# KiCad board schiffre_86_pcb.kicad_pcb
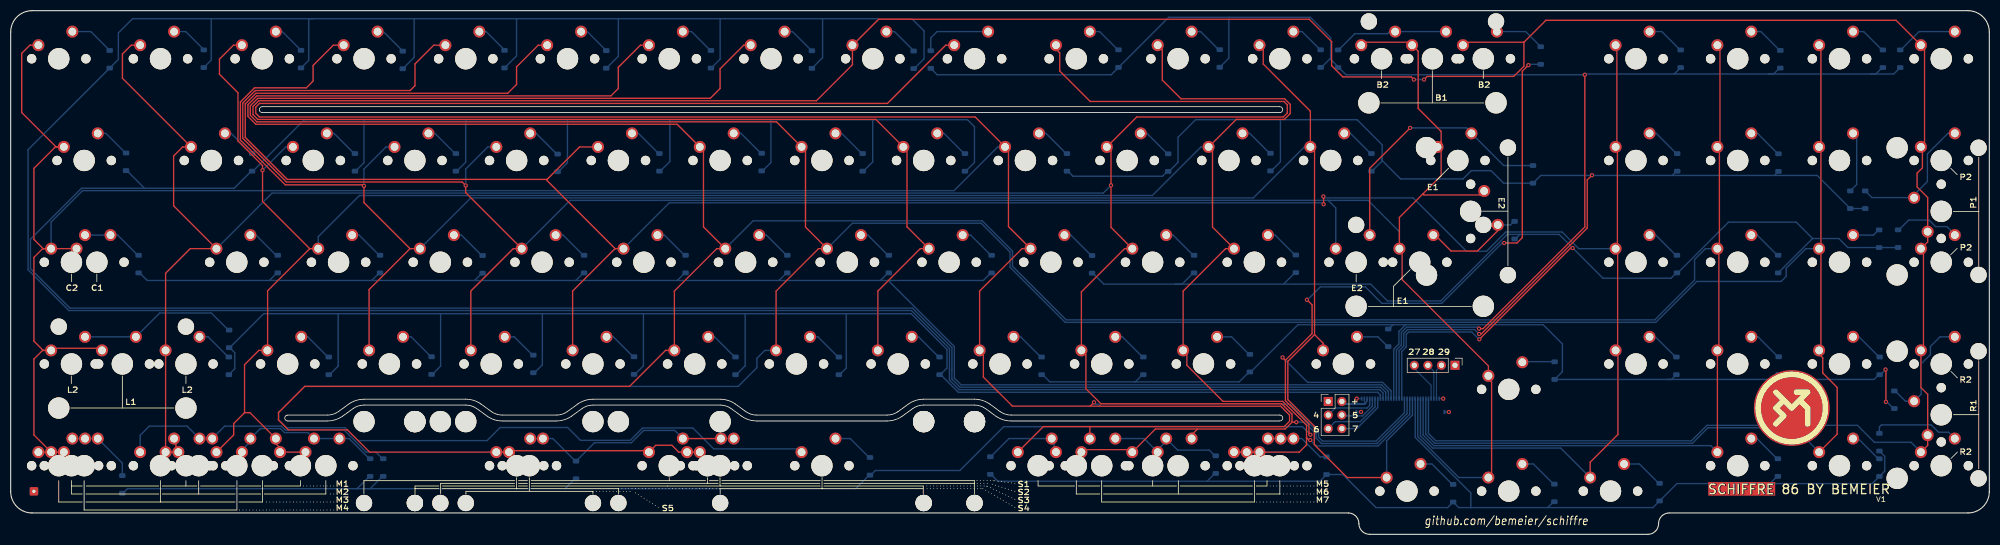
[diagram p0: board, top side]
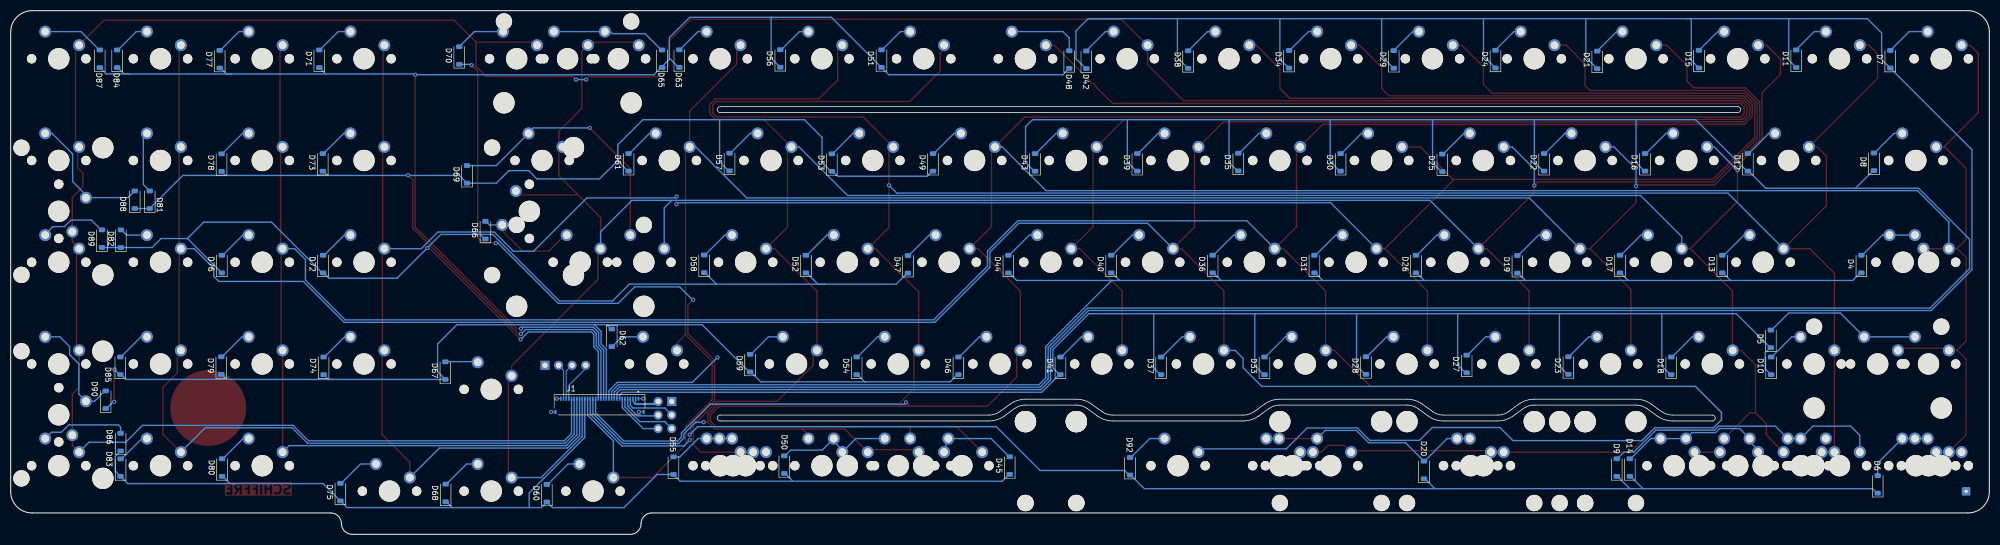
[diagram p1: board, bottom side, seen from below]

Outline 370.43 x 98.05 mm; copper layers: Top, Bottom. Coordinates in mm from the lower left corner of the outline.
Outline path: 0,94.05 arc(1.17,96.88) 4,98.05 366.43,98.05 arc(369.26,96.88) 370.43,94.05 370.43,8 arc(369.26,5.17) 366.43,4 310.51,4 arc(309.1,3.41) 308.51,2 arc(307.92,0.59) 306.51,0 254.41,0 arc(253,0.59) 252.41,2 arc(251.82,3.41) 250.41,4 4,4 arc(1.17,5.17) 0,8 0,94.05 ; 47.1,80.08 237.6,80.08 arc(238.15,79.53) 237.6,78.98 47.1,78.98 arc(46.55,79.53) 47.1,80.08 ; 51.86,22.33 59.3,22.33 arc(60.37,22.49) 61.33,22.97 63.31,24.41 arc(64.66,25.07) 66.15,25.3 85.2,25.3 arc(86.69,25.07) 88.04,24.41 90.02,22.97 arc(90.98,22.49) 92.05,22.33 102.16,22.33 arc(103.23,22.49) 104.2,22.97 106.18,24.41 arc(107.53,25.07) 109.01,25.3 132.82,25.3 arc(134.31,25.07) 135.66,24.41 137.64,22.97 arc(138.61,22.49) 139.67,22.33 164.07,22.33 arc(165.14,22.49) 166.11,22.97 168.09,24.41 arc(169.44,25.07) 170.92,25.3 180.44,25.3 arc(181.93,25.07) 183.28,24.41 185.26,22.97 arc(186.23,22.49) 187.29,22.33 237.6,22.33 arc(238.15,21.78) 237.6,21.23 187.29,21.23 arc(185.8,21.45) 184.46,22.12 182.48,23.56 arc(181.51,24.04) 180.44,24.2 170.92,24.2 arc(169.86,24.04) 168.89,23.56 166.91,22.12 arc(165.56,21.45) 164.07,21.23 139.67,21.23 arc(138.19,21.45) 136.84,22.12 134.86,23.56 arc(133.89,24.04) 132.82,24.2 109.01,24.2 arc(107.95,24.04) 106.98,23.56 105,22.12 arc(103.65,21.45) 102.16,21.23 92.05,21.23 arc(90.56,21.45) 89.21,22.12 87.23,23.56 arc(86.27,24.04) 85.2,24.2 66.15,24.2 arc(65.08,24.04) 64.12,23.56 62.14,22.12 arc(60.79,21.45) 59.3,21.23 51.86,21.23 arc(51.31,21.78) 51.86,22.33
Stack: Top 0.035mm / dielectric 1.51mm FR4 er 4.5 / Bottom 0.035mm

## Placement (name value [footprint] x y rotation side)
D4  1N4148  [D_SOD-123]  23.95 50.6 90 bottom
D5  1N4148  [D_SOD-123]  40.9 36.6 90 bottom
D6  1N4148  [D_SOD-123]  20.9 9.35 90 bottom
D7  1N4148  [D_SOD-123]  18.54 88.95 90 bottom
D8  1N4148  [D_SOD-123]  21.6 69.75 90 bottom
D9  1N4148  [D_SOD-123]  69.75 12.5 90 bottom
D10  1N4148  [D_SOD-123]  40.85 31.55 90 bottom
D11  1N4148  [D_SOD-123]  36.15 89.05 90 bottom
D12  1N4148  [D_SOD-123]  45.2 69.65 90 bottom
D13  1N4148  [D_SOD-123]  50 50.6 90 bottom
D14  1N4148  [D_SOD-123]  67.3 12.5 90 bottom
D15  1N4148  [D_SOD-123]  54.35 88.98 90 bottom
D16  1N4148  [D_SOD-123]  64.45 69.65 90 bottom
D17  1N4148  [D_SOD-123]  69.15 50.6 90 bottom
D18  1N4148  [D_SOD-123]  59.55 31.55 90 bottom
D19  1N4148  [D_SOD-123]  88.35 50.55 90 bottom
D20  1N4148  [D_SOD-123]  105.84 12.05 90 bottom
D21  1N4148  [D_SOD-123]  73.4 88.83 90 bottom
D22  1N4148  [D_SOD-123]  83.35 69.65 90 bottom
D23  1N4148  [D_SOD-123]  78.8 31.6 90 bottom
D24  1N4148  [D_SOD-123]  92.45 88.98 90 bottom
D25  1N4148  [D_SOD-123]  102.4 69.55 90 bottom
D26  1N4148  [D_SOD-123]  107.35 50.6 90 bottom
D27  1N4148  [D_SOD-123]  97.85 31.91 90 bottom
D28  1N4148  [D_SOD-123]  116.7 31.6 90 bottom
D29  1N4148  [D_SOD-123]  111.5 88.93 90 bottom
D30  1N4148  [D_SOD-123]  121.45 69.65 90 bottom
D31  1N4148  [D_SOD-123]  126.35 50.6 90 bottom
D33  1N4148  [D_SOD-123]  135.7 31.55 90 bottom
D34  1N4148  [D_SOD-123]  131.1 88.95 90 bottom
D35  1N4148  [D_SOD-123]  140.6 69.7 90 bottom
D36  1N4148  [D_SOD-123]  145.4 50.6 90 bottom
D37  1N4148  [D_SOD-123]  155.05 31.54 90 bottom
D38  1N4148  [D_SOD-123]  150 88.9 90 bottom
D39  1N4148  [D_SOD-123]  159.5 69.65 90 bottom
D40  1N4148  [D_SOD-123]  164.4 50.6 90 bottom
D41  1N4148  [D_SOD-123]  173.9 31.55 90 bottom
D42  1N4148  [D_SOD-123]  169.05 88.85 90 bottom
D43  1N4148  [D_SOD-123]  178.65 69.64 90 bottom
D44  1N4148  [D_SOD-123]  183.65 50.59 90 bottom
D45  1N4148  [D_SOD-123]  183.4 12.88 90 bottom
D46  1N4148  [D_SOD-123]  193 31.55 90 bottom
D47  1N4148  [D_SOD-123]  202.45 50.55 90 bottom
D48  1N4148  [D_SOD-123]  172.25 88.9 90 bottom
D49  1N4148  [D_SOD-123]  197.75 69.64 90 bottom
D50  1N4148  [D_SOD-123]  225.6 13.05 90 bottom
D51  1N4148  [D_SOD-123]  207.4 89.08 90 bottom
D52  1N4148  [D_SOD-123]  221.55 50.6 90 bottom
D53  1N4148  [D_SOD-123]  216.7 69.6 90 bottom
D54  1N4148  [D_SOD-123]  212.05 31.55 90 bottom
D55  1N4148  [D_SOD-123]  246.35 12.85 90 bottom
D56  1N4148  [D_SOD-123]  226.35 89.1 90 bottom
D57  1N4148  [D_SOD-123]  235.85 69.7 90 bottom
D58  1N4148  [D_SOD-123]  240.6 50.65 90 bottom
D59  1N4148  [D_SOD-123]  232 32.05 90 bottom
D60  1N4148  [D_SOD-123]  270.05 7.7 90 bottom
D61  1N4148  [D_SOD-123]  254.75 69.65 90 bottom
D62  1N4148  [D_SOD-123]  257.9 36.8 270 bottom
D63  1N4148  [D_SOD-123]  245.25 89.08 90 bottom
D65  1N4148  [D_SOD-123]  248.5 89.05 90 bottom
D66  1N4148  [D_SOD-123]  281.55 56.95 90 bottom
D67  1N4148  [D_SOD-123]  289.05 30.65 90 bottom
D68  1N4148  [D_SOD-123]  289 7.75 90 bottom
D69  1N4148  [D_SOD-123]  285 67.4 90 bottom
D70  1N4148  [D_SOD-123]  286.45 89.65 90 bottom
D71  1N4148  [D_SOD-123]  312.65 89.05 90 bottom
D72  1N4148  [D_SOD-123]  311.95 50.6 90 bottom
D73  1N4148  [D_SOD-123]  312 69.64 90 bottom
D74  1N4148  [D_SOD-123]  311.85 31.55 90 bottom
D75  1N4148  [D_SOD-123]  308.7 7.9 90 bottom
D76  1N4148  [D_SOD-123]  330.9 50.6 90 bottom
D77  1N4148  [D_SOD-123]  331.3 88.96 90 bottom
D78  1N4148  [D_SOD-123]  330.95 69.6 90 bottom
D79  1N4148  [D_SOD-123]  331 31.6 90 bottom
D80  1N4148  [D_SOD-123]  330.85 12.5 90 bottom
D81  1N4148  [D_SOD-123]  344.4 62.65 90 bottom
D82  1N4148  [D_SOD-123]  349.8 55.35 90 bottom
D83  1N4148  [D_SOD-123]  349.85 12.49 90 bottom
D84  1N4148  [D_SOD-123]  350.5 89.05 90 bottom
D85  1N4148  [D_SOD-123]  349.9 31.55 90 bottom
D86  1N4148  [D_SOD-123]  349.85 17.26 90 bottom
D87  1N4148  [D_SOD-123]  353.75 89.05 90 bottom
D88  1N4148  [D_SOD-123]  347.2 62.65 90 bottom
D89  1N4148  [D_SOD-123]  353.35 55.36 90 bottom
D90  1N4148  [D_SOD-123]  352.65 25.2 90 bottom
D92  1N4148  [D_SOD-123]  160.88 12.74 90 bottom
J1  FH34SRJ-30S-0.5SH(50)  [HRS_FH34SRJ-30S-0.5SH(50)]  260.18 25.4 180 bottom
J2  Conn_01x06  [PinHeader_2x03_P2.54mm_Vertical]  246.68 24.88 0 top
J3  Conn_01x04  [PinHeader_1x04_P2.54mm_Vertical]  270.4 31.65 270 top
J5  Conn_01x01  [SolderWire-0.1sqmm_1x01_D0.4mm_OD1mm]  4.35 8.05 0 top
MX1  ANSI Shift  [MXOnly-2.25U-NoLED]  20.91 31.9 0 top
MX2  Control 7u  [MXOnly-1.5U-NoLED]  13.76 12.85 0 top
MX3  STEPPED CAPS  [MXOnly-1.25U-NoLED]  11.38 50.95 0 top
MX4  Esc  [MXOnly-1U-NoLED]  9 89.05 0 top
MX5  Tab  [MXOnly-1.5U-NoLED]  13.76 70 0 top
MX6  CAPS  [MXOnly-1.75U-NoLED]  16.14 50.95 0 top
MX7  ISO Shift  [MXOnly-1.25U-NoLED]  11.38 31.9 0 top
MX8  Control 6u/6.25u  [MXOnly-1.25U-NoLED]  11.38 12.85 0 top
MX9  Super 6.25u  [MXOnly-1.25U-NoLED]  35.19 12.85 0 top
MX10  1  [MXOnly-1U-NoLED]  28.05 89.05 0 top
MX11  Q  [MXOnly-1U-NoLED]  37.57 70 0 top
MX12  A  [MXOnly-1U-NoLED]  42.34 50.95 0 top
MX13  ISO_BS  [MXOnly-1U-NoLED]  32.81 31.9 0 top
MX14  Super 6u  [MXOnly-1U-NoLED]  32.81 12.85 0 top
MX15  Alt 7u  [MXOnly-1.5U-NoLED]  42.34 12.85 0 top
MX16  2  [MXOnly-1U-NoLED]  47.1 89.05 0 top
MX17  W  [MXOnly-1U-NoLED]  56.65 70 0 top
MX18  S  [MXOnly-1U-NoLED]  61.38 50.95 0 top
MX19  Z  [MXOnly-1U-NoLED]  51.86 31.9 0 top
MX20  Alt 6u  [MXOnly-1.25U-NoLED]  54.24 12.85 0 top
MX21  3  [MXOnly-1U-NoLED]  66.15 89.05 0 top
MX22  E  [MXOnly-1U-NoLED]  75.68 70 0 top
MX23  D  [MXOnly-1U-NoLED]  80.44 50.95 0 top
MX24  X  [MXOnly-1U-NoLED]  70.91 31.9 0 top
MX25  Alt 6.25u  [MXOnly-1U-NoLED]  59.01 12.85 0 top
MX26  4  [MXOnly-1U-NoLED]  85.2 89.05 0 top
MX27  R  [MXOnly-1U-NoLED]  94.72 70 0 top
MX28  F  [MXOnly-1U-NoLED]  99.49 50.95 0 top
MX29  C  [MXOnly-1U-NoLED]  89.96 31.9 0 top
MX30  5  [MXOnly-1U-NoLED]  104.25 89.05 0 top
MX31  T  [MXOnly-1U-NoLED]  113.78 70 0 top
MX32  G  [MXOnly-1U-NoLED]  118.54 50.95 0 top
MX33  V  [MXOnly-1U-NoLED]  109.01 31.9 0 top
MX34  Space 6.25u  [MXOnly-6.25U-ReversedStabilizers-NoLED]  130.44 12.85 0 top
MX35  Space 7u  [MXOnly-7U-ReversedStabilizers-NoLED]  123.3 12.85 0 top
MX36  6  [MXOnly-1U-NoLED]  123.3 89.05 0 top
MX37  Y  [MXOnly-1U-NoLED]  132.82 70 0 top
MX38  H  [MXOnly-1U-NoLED]  137.59 50.95 0 top
MX39  B  [MXOnly-1U-NoLED]  128.06 31.9 0 top
MX40  Space 6u  [MXOnly-6U-ReversedStabilizers-NoLED]  123.3 12.85 0 top
MX41  7  [MXOnly-1U-NoLED]  142.35 89.05 0 top
MX42  U  [MXOnly-1U-NoLED]  151.88 70 0 top
MX43  J  [MXOnly-1U-NoLED]  156.64 50.95 0 top
MX44  N  [MXOnly-1U-NoLED]  147.11 31.9 0 top
MX45  8  [MXOnly-1U-NoLED]  161.4 89.05 0 top
MX46  I  [MXOnly-1U-NoLED]  170.93 70 0 top
MX47  K  [MXOnly-1U-NoLED]  175.69 50.95 0 top
MX48  M  [MXOnly-1U-NoLED]  166.16 31.9 0 top
MX49  9  [MXOnly-1U-NoLED]  180.45 89.05 0 top
MX50  O  [MXOnly-1U-NoLED]  189.98 70 0 top
MX51  L  [MXOnly-1U-NoLED]  194.74 50.95 0 top
MX52  ,  [MXOnly-1U-NoLED]  185.21 31.9 0 top
MX53  RAlt 6u  [MXOnly-1U-NoLED]  192.36 12.85 0 top
MX54  Ralt 6.25u/7u  [MXOnly-1.5U-NoLED]  204.26 12.85 0 top
MX55  0  [MXOnly-1U-NoLED]  199.5 89.05 0 top
MX56  P  [MXOnly-1U-NoLED]  209.02 70 0 top
MX57  ;  [MXOnly-1U-NoLED]  213.79 50.95 0 top
MX58  .  [MXOnly-1U-NoLED]  204.26 31.9 0 top
MX59  RSuper 6u  [MXOnly-1U-NoLED]  213.79 12.85 0 top
MX60  Fn 6.25u/7u  [MXOnly-1.5U-NoLED]  232.84 12.85 0 top
MX61  -  [MXOnly-1U-NoLED]  218.55 89.05 0 top
MX62  [  [MXOnly-1U-NoLED]  228.07 70 0 top
MX63  '  [MXOnly-1U-NoLED]  232.84 50.95 0 top
MX64  /  [MXOnly-1U-NoLED]  223.31 31.9 0 top
MX65  Fn 6u  [MXOnly-1.25U-NoLED]  235.22 12.85 0 top
MX66  =  [MXOnly-1U-NoLED]  237.6 89.05 0 top
MX67  ]  [MXOnly-1U-NoLED]  247.12 70 0 top
MX68  ISO Hash  [MXOnly-1U-NoLED]  251.89 50.95 0 top
MX69  Shift  [MXOnly-1.75U-NoLED]  249.5 31.9 0 top
MX70  Left  [MXOnly-1U-NoLED]  261.41 8.09 0 top
MX71  Split Backspace Left  [MXOnly-1U-NoLED]  256.65 89.05 0 top
MX72  ISO Enter  [MXOnly-ISO-ROTATED-ReversedStabilizers-NoLED]  273.32 60.48 0 top
MX73  Backspace  [MXOnly-2U-NoLED]  266.17 89.05 0 top
MX74  Backslash  [MXOnly-1.5U-NoLED]  270.94 70 0 top
MX75  ANSI Enter  [MXOnly-2.25U-NoLED]  263.8 50.95 0 top
MX76  Up  [MXOnly-1U-NoLED]  280.46 27.14 0 top
MX77  Down  [MXOnly-1U-NoLED]  280.46 8.09 0 top
MX78  Split Backspace Right  [MXOnly-1U-NoLED]  275.7 89.05 0 top
MX79  Num Lock  [MXOnly-1U-NoLED]  304.28 89.05 0 top
MX80  Num 7  [MXOnly-1U-NoLED]  304.28 70 0 top
MX81  Num 4  [MXOnly-1U-NoLED]  304.28 50.95 0 top
MX82  Num 1  [MXOnly-1U-NoLED]  304.28 31.9 0 top
MX83  Right  [MXOnly-1U-NoLED]  299.51 8.09 0 top
MX84  Num /  [MXOnly-1U-NoLED]  323.33 89.05 0 top
MX85  Num 8  [MXOnly-1U-NoLED]  323.33 70 0 top
MX86  Num 5  [MXOnly-1U-NoLED]  323.33 50.95 0 top
MX87  Num 2  [MXOnly-1U-NoLED]  323.33 31.9 0 top
MX88  Num 0  [MXOnly-1U-NoLED]  323.33 12.85 0 top
MX89  Num *  [MXOnly-1U-NoLED]  342.38 89.05 0 top
MX90  Num 9  [MXOnly-1U-NoLED]  342.38 70 0 top
MX91  Num 6  [MXOnly-1U-NoLED]  342.38 50.95 0 top
MX92  Num 3  [MXOnly-1U-NoLED]  342.38 31.9 0 top
MX93  Num .  [MXOnly-1U-NoLED]  342.38 12.85 0 top
MX94  Num + 1u  [MXOnly-1U-NoLED]  361.43 70 0 top
MX95  Num Enter 1u  [MXOnly-1U-NoLED]  361.43 31.9 0 top
MX96  Num Backspace  [MXOnly-1U-NoLED]  361.43 12.85 0 top
MX97  Num -  [MXOnly-1U-NoLED]  361.43 89.05 0 top
MX98  Num +  [MXOnly-2U-ReversedStabilizers-NoLED]  361.43 60.48 90 top
MX99  Num =  [MXOnly-1U-NoLED]  361.43 50.95 0 top
MX100  Num Enter  [MXOnly-2U-ReversedStabilizers-NoLED]  361.43 22.38 90 top
MX101  Split2.75ULeft  [MXOnly-2.75U-ReversedStabilizers-NoLED]  97.11 12.85 0 top
MX102  1uMod1  [MXOnly-1U-NoLED]  9 12.85 0 top
MX103  1uMod2  [MXOnly-1U-NoLED]  28.05 12.85 0 top
MX104  1uMod3  [MXOnly-1U-NoLED]  47.1 12.85 0 top
MX105  1uMod4  [MXOnly-1U-NoLED]  199.5 12.85 0 top
MX106  1uMod5  [MXOnly-1U-NoLED]  218.55 12.85 0 top
MX107  Split3ULeft  [MXOnly-3U-ReversedStabilizers-NoLED]  94.72 12.85 0 top
MX108  Split3URigth  [MXOnly-3U-ReversedStabilizers-NoLED]  151.88 12.85 0 top
MX109  1uMod6  [MXOnly-1U-NoLED]  237.6 12.85 0 top

## Library data of the parts
D4-D31 D33-D63 D65-D90 D92 = -: Description: Diode, small symbol; MPN: C81598
J1 = -: MANUFACTURER: Hirose Electric; MAXIMUM_PACKAGE_HEIGHT: 1.1mm; MPN: C324727; PARTREV: 1; STANDARD: Manufacturer recommendations
J2 = -: Description: Generic connector, single row, 01x06, script generated (kicad-library-utils/schlib/autogen/connector/)
J3 = -: Description: Generic connector, single row, 01x04, script generated (kicad-library-utils/schlib/autogen/connector/)
J5 = -: Description: Generic connector, single row, 01x01, script generated (kicad-library-utils/schlib/autogen/connector/)
MX1-MX109 = -: Description: Push button switch, normally open, two pins, 45° tilted

## Footprints (pads in the part's own frame, mm; a bottom-side part is the same pattern mirrored in y, then rotated)
D_SOD-123
  rrect 0.9x1.2 smd: 1(-1.65,0) 2(1.65,0)
HRS_FH34SRJ-30S-0.5SH(50)
  rect 0.3x0.8 smd: 1(7.25,0) 2(6.75,0) 3(6.25,0) 4(5.75,0) 5(5.25,0) 6(4.75,0) 7(4.25,0) 8(3.75,0) 9(3.25,0) 10(2.75,0) 11(2.25,0) 12(1.75,0) 13(1.25,0) 14(0.75,0) 15(0.25,0) 16(-0.25,0) 17(-0.75,0) 18(-1.25,0) 19(-1.75,0) 20(-2.25,0) 21(-2.75,0) 22(-3.25,0) 23(-3.75,0) 24(-4.25,0) 25(-4.75,0) 26(-5.25,0) 27(-5.75,0) 28(-6.25,0) 29(-6.75,0) 30(-7.25,0)
  rect 0.4x0.8 smd: S1(8.25,-2.5) S2(-8.25,-2.5)
MXOnly-1.5U-NoLED
  round 1.75 hole 1.75 unplated: (-5.08,0) (5.08,0)
  round 3.988 hole 3.988 unplated: (0,0)
  round 2.25 hole 1.47: 1(-3.81,2.54) 2(2.54,5.08)
MXOnly-1.25U-NoLED
  round 1.75 hole 1.75 unplated: (-5.08,0) (5.08,0)
  round 3.988 hole 3.988 unplated: (0,0)
  round 2.25 hole 1.47: 1(-3.81,2.54) 2(2.54,5.08)
MXOnly-1.75U-NoLED
  round 1.75 hole 1.75 unplated: (-5.08,0) (5.08,0)
  round 3.988 hole 3.988 unplated: (0,0)
  round 2.25 hole 1.47: 1(-3.81,2.54) 2(2.54,5.08)
MXOnly-1U-NoLED
  round 1.75 hole 1.75 unplated: (-5.08,0) (5.08,0)
  round 3.988 hole 3.988 unplated: (0,0)
  round 2.25 hole 1.47: 1(-3.81,2.54) 2(2.54,5.08)
MXOnly-2.25U-NoLED
  round 3.048 hole 3.048 unplated: (-11.906,6.985) (11.906,6.985)
  round 3.988 hole 3.988 unplated: (-11.906,-8.255) (0,0) (11.906,-8.255)
  round 1.75 hole 1.75 unplated: (-5.08,0) (5.08,0)
  round 2.25 hole 1.47: 1(-3.81,2.54) 2(2.54,5.08)
MXOnly-2.75U-ReversedStabilizers-NoLED
  round 3.988 hole 3.988 unplated: (-11.906,8.255) (0,0) (11.906,8.255)
  round 3.048 hole 3.048 unplated: (-11.906,-6.985) (11.906,-6.985)
  round 1.75 hole 1.75 unplated: (-5.08,0) (5.08,0)
  round 2.25 hole 1.47: 1(-3.81,2.54) 2(2.54,5.08)
MXOnly-2U-NoLED
  round 3.048 hole 3.048 unplated: (-11.906,6.985) (11.906,6.985)
  round 3.988 hole 3.988 unplated: (-11.906,-8.255) (0,0) (11.906,-8.255)
  round 1.75 hole 1.75 unplated: (-5.08,0) (5.08,0)
  round 2.25 hole 1.47: 1(-3.81,2.54) 2(2.54,5.08)
MXOnly-2U-ReversedStabilizers-NoLED
  round 3.988 hole 3.988 unplated: (-11.906,8.255) (0,0) (11.906,8.255)
  round 3.048 hole 3.048 unplated: (-11.906,-6.985) (11.906,-6.985)
  round 1.75 hole 1.75 unplated: (-5.08,0) (5.08,0)
  round 2.25 hole 1.47: 1(-3.81,2.54) 2(2.54,5.08)
MXOnly-3U-ReversedStabilizers-NoLED
  round 3.988 hole 3.988 unplated: (-19.05,8.255) (0,0) (19.05,8.255)
  round 3.048 hole 3.048 unplated: (-19.05,-6.985) (19.05,-6.985)
  round 1.75 hole 1.75 unplated: (-5.08,0) (5.08,0)
  round 2.25 hole 1.47: 1(-3.81,2.54) 2(2.54,5.08)
MXOnly-6.25U-ReversedStabilizers-NoLED
  round 3.988 hole 3.988 unplated: (-50,8.255) (0,0) (50,8.255)
  round 3.048 hole 3.048 unplated: (-50,-6.985) (50,-6.985)
  round 1.75 hole 1.75 unplated: (-5.08,0) (5.08,0)
  round 2.25 hole 1.47: 1(-3.81,2.54) 2(2.54,5.08)
MXOnly-6U-ReversedStabilizers-NoLED
  round 3.988 hole 3.988 unplated: (-47.625,8.255) (9.525,0) (47.625,8.255)
  round 3.048 hole 3.048 unplated: (-47.625,-6.985) (47.625,-6.985)
  round 1.75 hole 1.75 unplated: (4.445,0) (14.605,0)
  round 2.25 hole 1.47: 1(5.715,2.54) 2(12.065,5.08)
MXOnly-7U-ReversedStabilizers-NoLED
  round 3.988 hole 3.988 unplated: (-57.15,8.255) (0,0) (57.15,8.255)
  round 3.048 hole 3.048 unplated: (-57.15,-6.985) (57.15,-6.985)
  round 1.75 hole 1.75 unplated: (-5.08,0) (5.08,0)
  round 2.25 hole 1.47: 1(-3.81,2.54) 2(2.54,5.08)
MXOnly-ISO-ROTATED-ReversedStabilizers-NoLED
  round 3.988 hole 3.988 unplated: (-8.255,11.938) (-8.255,-11.938) (0,0)
  round 1.75 hole 1.75 unplated: (0,5.08) (0,-5.08)
  round 3.048 hole 3.048 unplated: (6.985,11.938) (6.985,-11.938)
  round 2.25 hole 1.47: 1(2.54,3.81) 2(5.08,-2.54)
PinHeader_1x04_P2.54mm_Vertical
  rect 1.7x1.7 hole 1: 1(0,0)
  oval 1.7x1.7 hole 1: 2(0,-2.54) 3(0,-5.08) 4(0,-7.62)
PinHeader_2x03_P2.54mm_Vertical
  rect 1.7x1.7 hole 1: 1(0,0)
  oval 1.7x1.7 hole 1: 2(2.54,0) 3(0,-2.54) 4(2.54,-2.54) 5(0,-5.08) 6(2.54,-5.08)
SolderWire-0.1sqmm_1x01_D0.4mm_OD1mm
  rrect 1.6x1.6 hole 0.6: 1(0,0)

## Nets
+5V: J1.2 J1.3 J2.2
GND: J1.1 J1.30 J1.S1 J1.S2 J2.1 J3.1
Col0: J1.17 MX1.1 MX2.1 MX3.1 MX4.1 MX5.1 MX6.1 MX7.1 MX8.1 MX49.1 MX50.1 MX51.1 MX52.1 MX53.1 MX102.1 MX105.2
Col1: J1.18 MX9.1 MX10.1 MX11.1 MX12.1 MX13.1 MX14.1 MX54.1 MX55.1 MX56.1 MX57.1 MX58.1 MX59.1 MX103.2 MX106.2
Col2: J1.19 MX15.1 MX16.1 MX17.1 MX18.1 MX19.1 MX20.1 MX25.1 MX60.1 MX61.1 MX62.1 MX63.1 MX64.1 MX65.1 MX104.2 MX109.1
Col3: J1.20 MX21.1 MX22.1 MX23.1 MX24.1 MX66.1 MX67.1 MX69.1 MX70.1
Col4: J1.22 MX26.1 MX27.1 MX28.1 MX29.1 MX68.1 MX71.1 MX72.1 MX73.1 MX74.1 MX75.1 MX76.1 MX77.1
Col5: J1.23 MX30.1 MX31.1 MX32.1 MX33.1 MX79.1 MX80.1 MX81.1 MX82.1 MX83.1
Col6: J1.24 MX34.1 MX35.1 MX36.1 MX37.1 MX38.1 MX39.1 MX40.1 MX84.1 MX85.1 MX86.1 MX87.1 MX88.1 MX101.1 MX107.1
Col7: J1.25 MX41.1 MX42.1 MX43.1 MX44.1 MX89.1 MX90.1 MX91.1 MX92.1 MX93.1 MX108.1
Col8: J1.26 MX45.1 MX46.1 MX47.1 MX48.1 MX78.1 MX94.1 MX95.1 MX96.1 MX97.1 MX98.1 MX99.1 MX100.1
Plane2: J5.1
Row0: D7.1 D11.1 D15.1 D21.1 D24.1 D29.1 D34.1 D38.1 D42.1 J1.9
Row1: D8.1 D12.1 D16.1 D22.1 D25.1 D30.1 D35.1 D39.1 D43.1 J1.10
Row2: D4.1 D13.1 D17.1 D19.1 D26.1 D31.1 D36.1 D40.1 D44.1 J1.11
Row3: D5.1 D10.1 D18.1 D23.1 D27.1 D28.1 D33.1 D37.1 D41.1 J1.8
Row4: D6.1 D9.1 D14.1 D20.1 D70.1 D92.1 J1.12
Row5: D48.1 D51.1 D56.1 D63.1 D65.1 D71.1 D77.1 D84.1 D87.1 J1.14
Row6: D49.1 D53.1 D57.1 D61.1 D69.1 D73.1 D78.1 D81.1 D88.1 J1.15
Row7: D47.1 D52.1 D58.1 D66.1 D72.1 D76.1 D82.1 D89.1 J1.16
Row8: D46.1 D54.1 D59.1 D62.1 D67.1 D74.1 D79.1 D85.1 D90.1 J1.13
Row9: D45.1 D50.1 D55.1 D60.1 D68.1 D75.1 D80.1 D83.1 D86.1 J1.21
Net-(D4-A): D4.2 MX3.2 MX6.2
Net-(D5-A): D5.2 MX1.2 MX7.2
Net-(D6-A): D6.2 MX2.2 MX8.2 MX102.2
Net-(D7-A): D7.2 MX4.2
Net-(D8-A): D8.2 MX5.2
Net-(D9-A): D9.2 MX9.2 MX14.2 MX103.1
Net-(D10-A): D10.2 MX13.2
Net-(D11-A): D11.2 MX10.2
Net-(D12-A): D12.2 MX11.2
Net-(D13-A): D13.2 MX12.2
Net-(D14-A): D14.2 MX15.2 MX20.2 MX25.2 MX104.1
Net-(D15-A): D15.2 MX16.2
Net-(D16-A): D16.2 MX17.2
Net-(D17-A): D17.2 MX18.2
Net-(D18-A): D18.2 MX19.2
Net-(D19-A): D19.2 MX23.2
Net-(D20-A): D20.2 MX34.2 MX35.2 MX40.2 MX101.2 MX107.2
Net-(D21-A): D21.2 MX21.2
Net-(D22-A): D22.2 MX22.2
Net-(D23-A): D23.2 MX24.2
Net-(D24-A): D24.2 MX26.2
Net-(D25-A): D25.2 MX27.2
Net-(D26-A): D26.2 MX28.2
Net-(D27-A): D27.2 MX29.2
Net-(D28-A): D28.2 MX33.2
Net-(D29-A): D29.2 MX30.2
Net-(D30-A): D30.2 MX31.2
Net-(D31-A): D31.2 MX32.2
Net-(D33-A): D33.2 MX39.2
Net-(D34-A): D34.2 MX36.2
Net-(D35-A): D35.2 MX37.2
Net-(D36-A): D36.2 MX38.2
Net-(D37-A): D37.2 MX44.2
Net-(D38-A): D38.2 MX41.2
Net-(D39-A): D39.2 MX42.2
Net-(D40-A): D40.2 MX43.2
Net-(D41-A): D41.2 MX48.2
Net-(D42-A): D42.2 MX45.2
Net-(D43-A): D43.2 MX46.2
Net-(D44-A): D44.2 MX47.2
Net-(D45-A): D45.2 MX53.2 MX105.1
Net-(D46-A): D46.2 MX52.2
Net-(D47-A): D47.2 MX51.2
Net-(D48-A): D48.2 MX49.2
Net-(D49-A): D49.2 MX50.2
Net-(D50-A): D50.2 MX54.2 MX59.2 MX106.1
Net-(D51-A): D51.2 MX55.2
Net-(D52-A): D52.2 MX57.2
Net-(D53-A): D53.2 MX56.2
Net-(D54-A): D54.2 MX58.2
Net-(D55-A): D55.2 MX60.2 MX65.2 MX109.2
Net-(D56-A): D56.2 MX61.2
Net-(D57-A): D57.2 MX62.2
Net-(D58-A): D58.2 MX63.2
Net-(D59-A): D59.2 MX64.2
Net-(D60-A): D60.2 MX70.2
Net-(D61-A): D61.2 MX67.2
Net-(D62-A): D62.2 MX69.2